# Altium PCB 2012_FDP_PCB.PcbDoc (part 1 of 3)
Units mil, origin at the board's own origin, x right, y up, seen from the top; angles counter-clockwise.
Board outline 5511.81 x 10236.22 mil, 4 copper layers (1-TOP, 2-GND, 3-SIGNAL, 4-BOT); 256 components, 200 nets, 1006 pads, 500 vias.
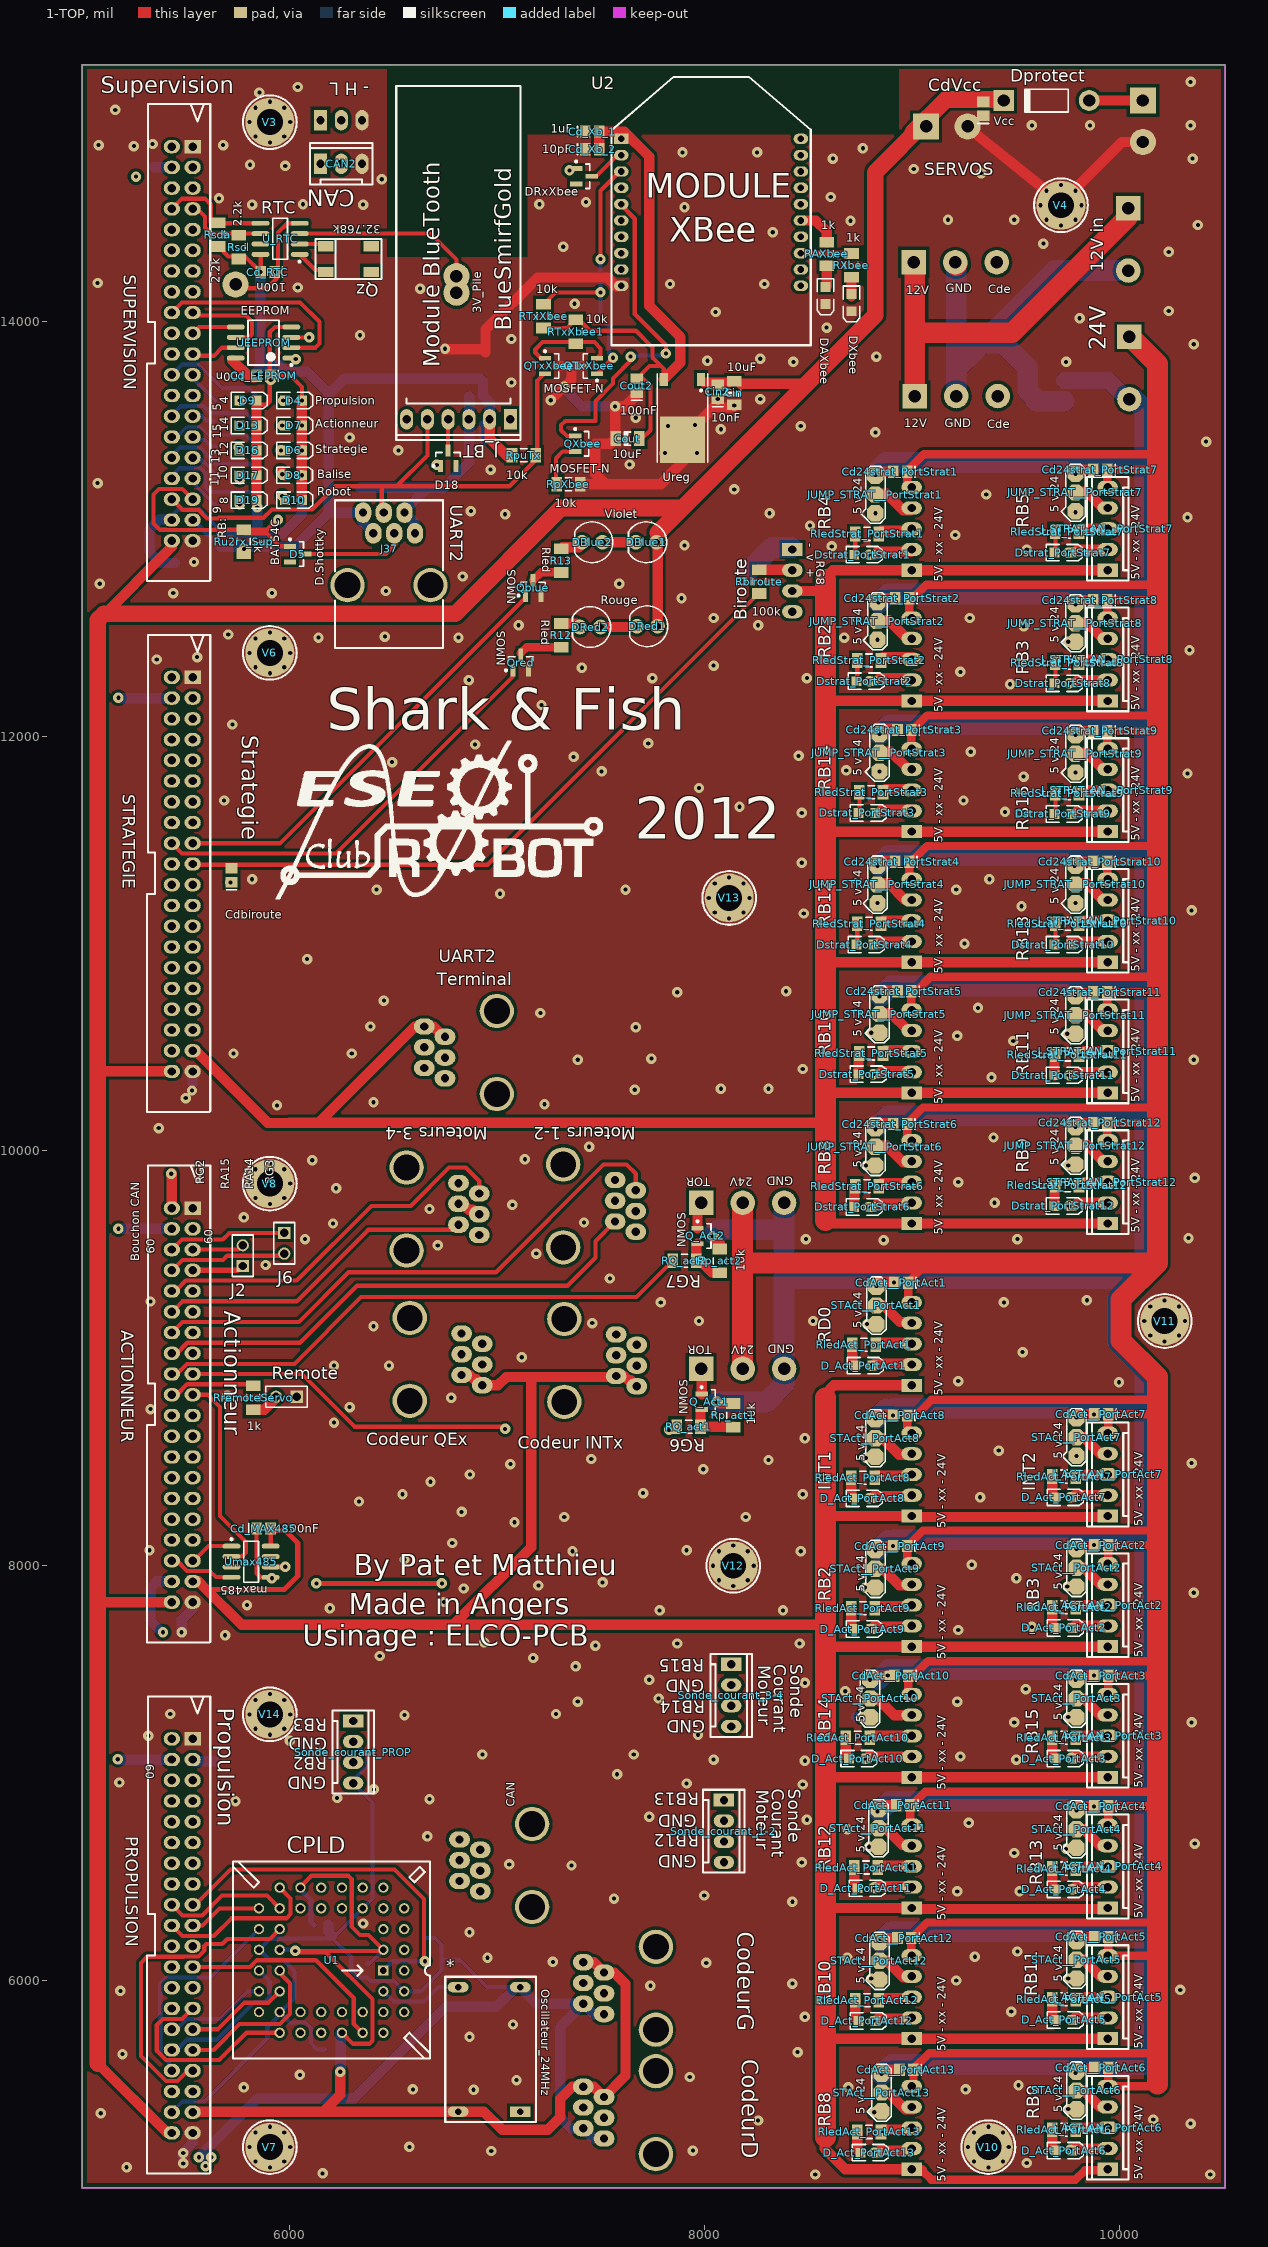
[diagram p0: 1-TOP view]
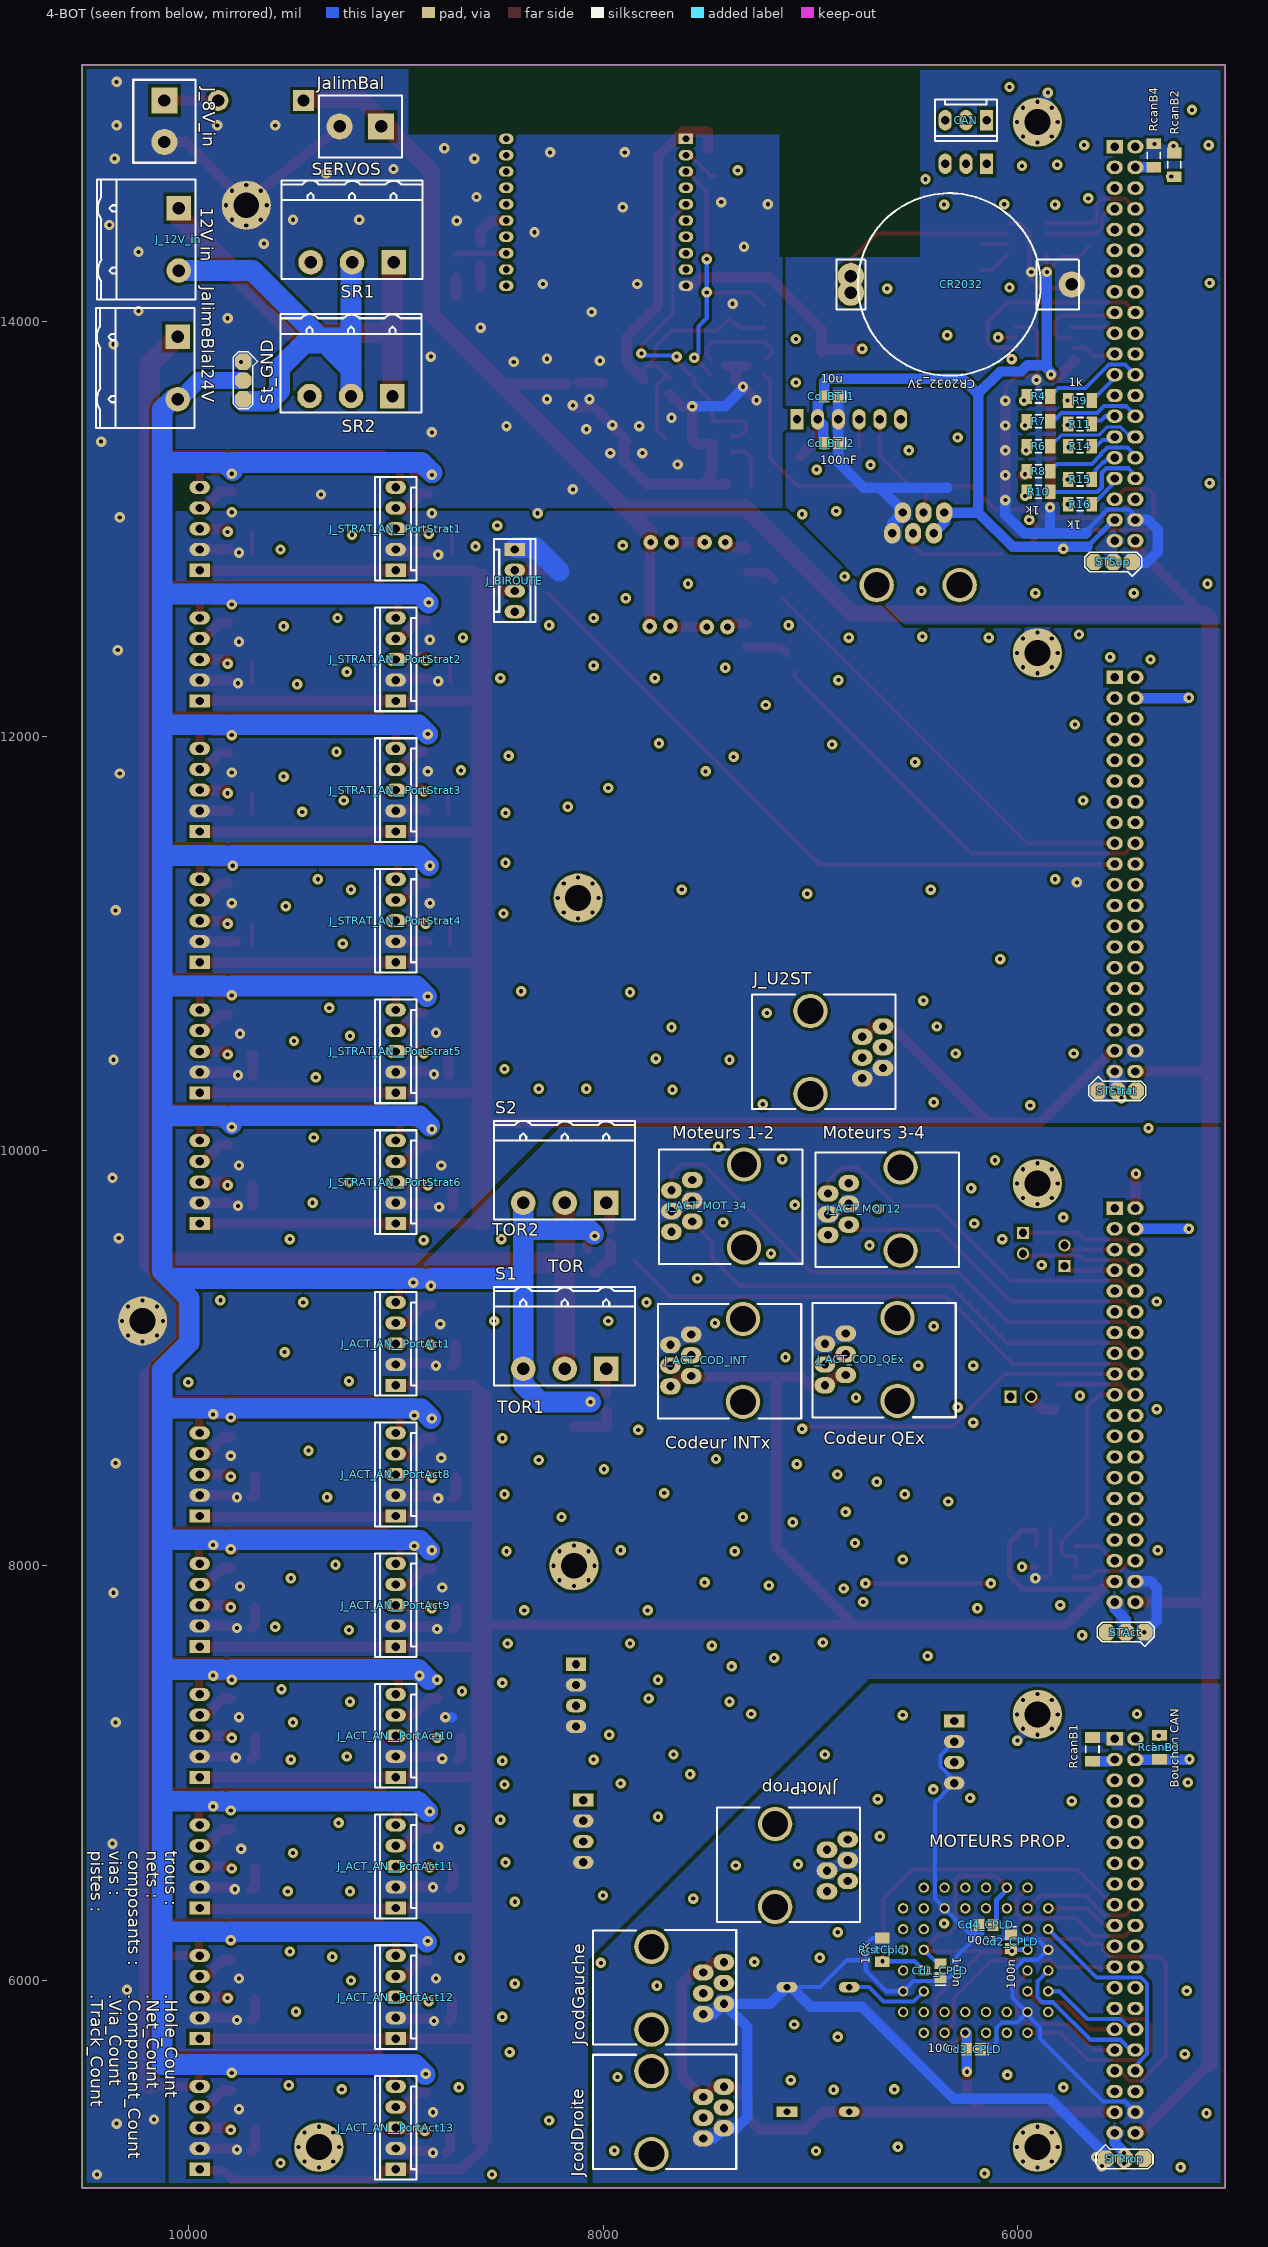
[diagram p1: 4-BOT view, seen from below]
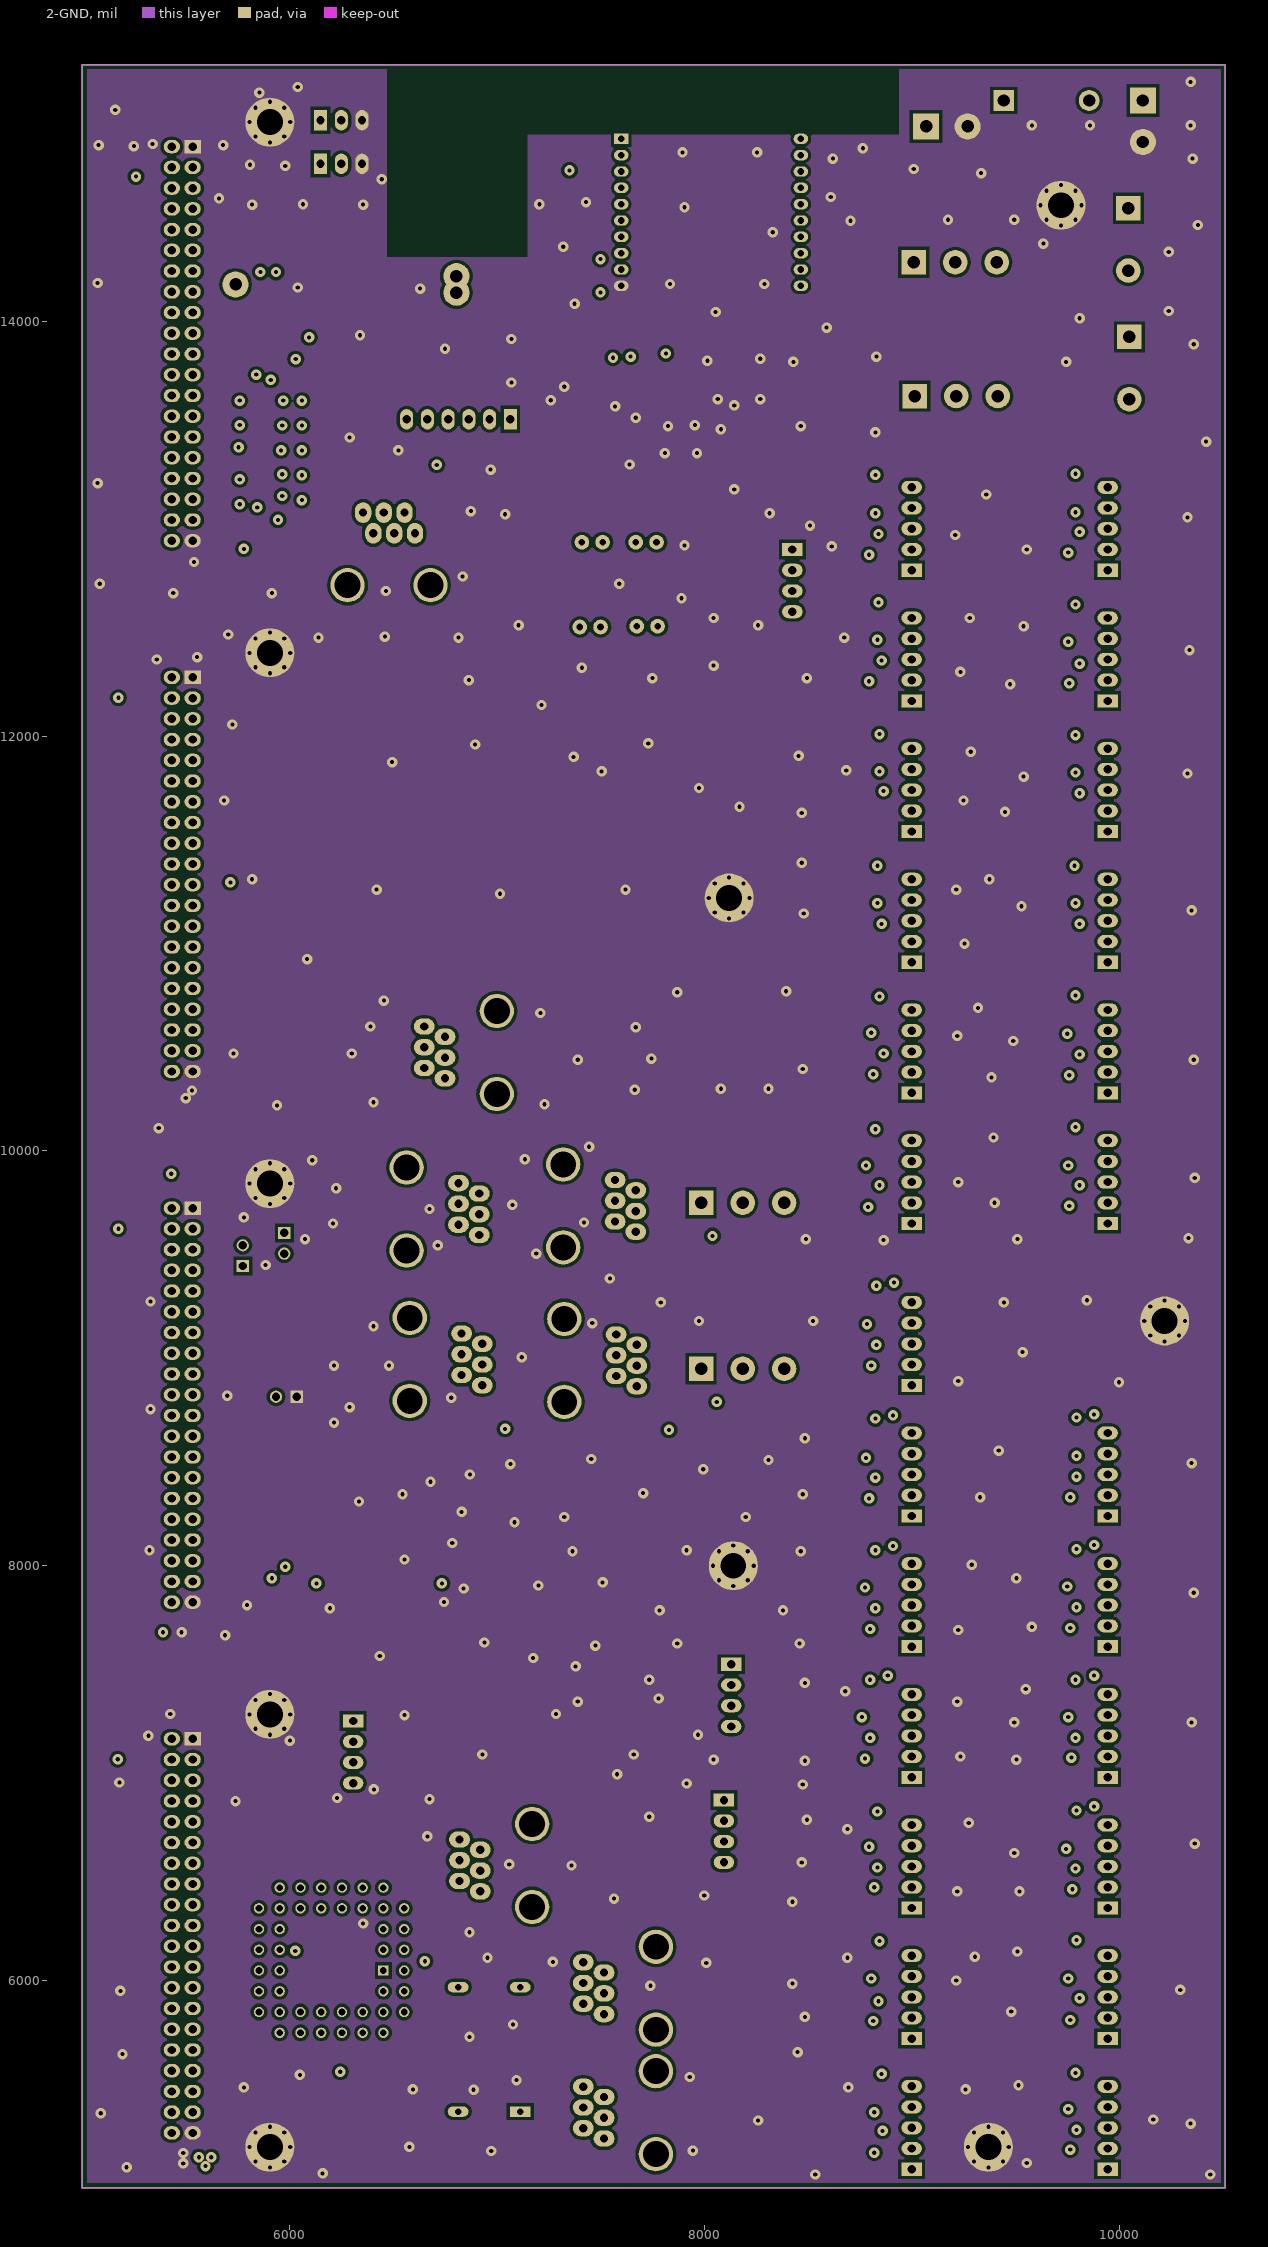
[diagram p2: 2-GND]
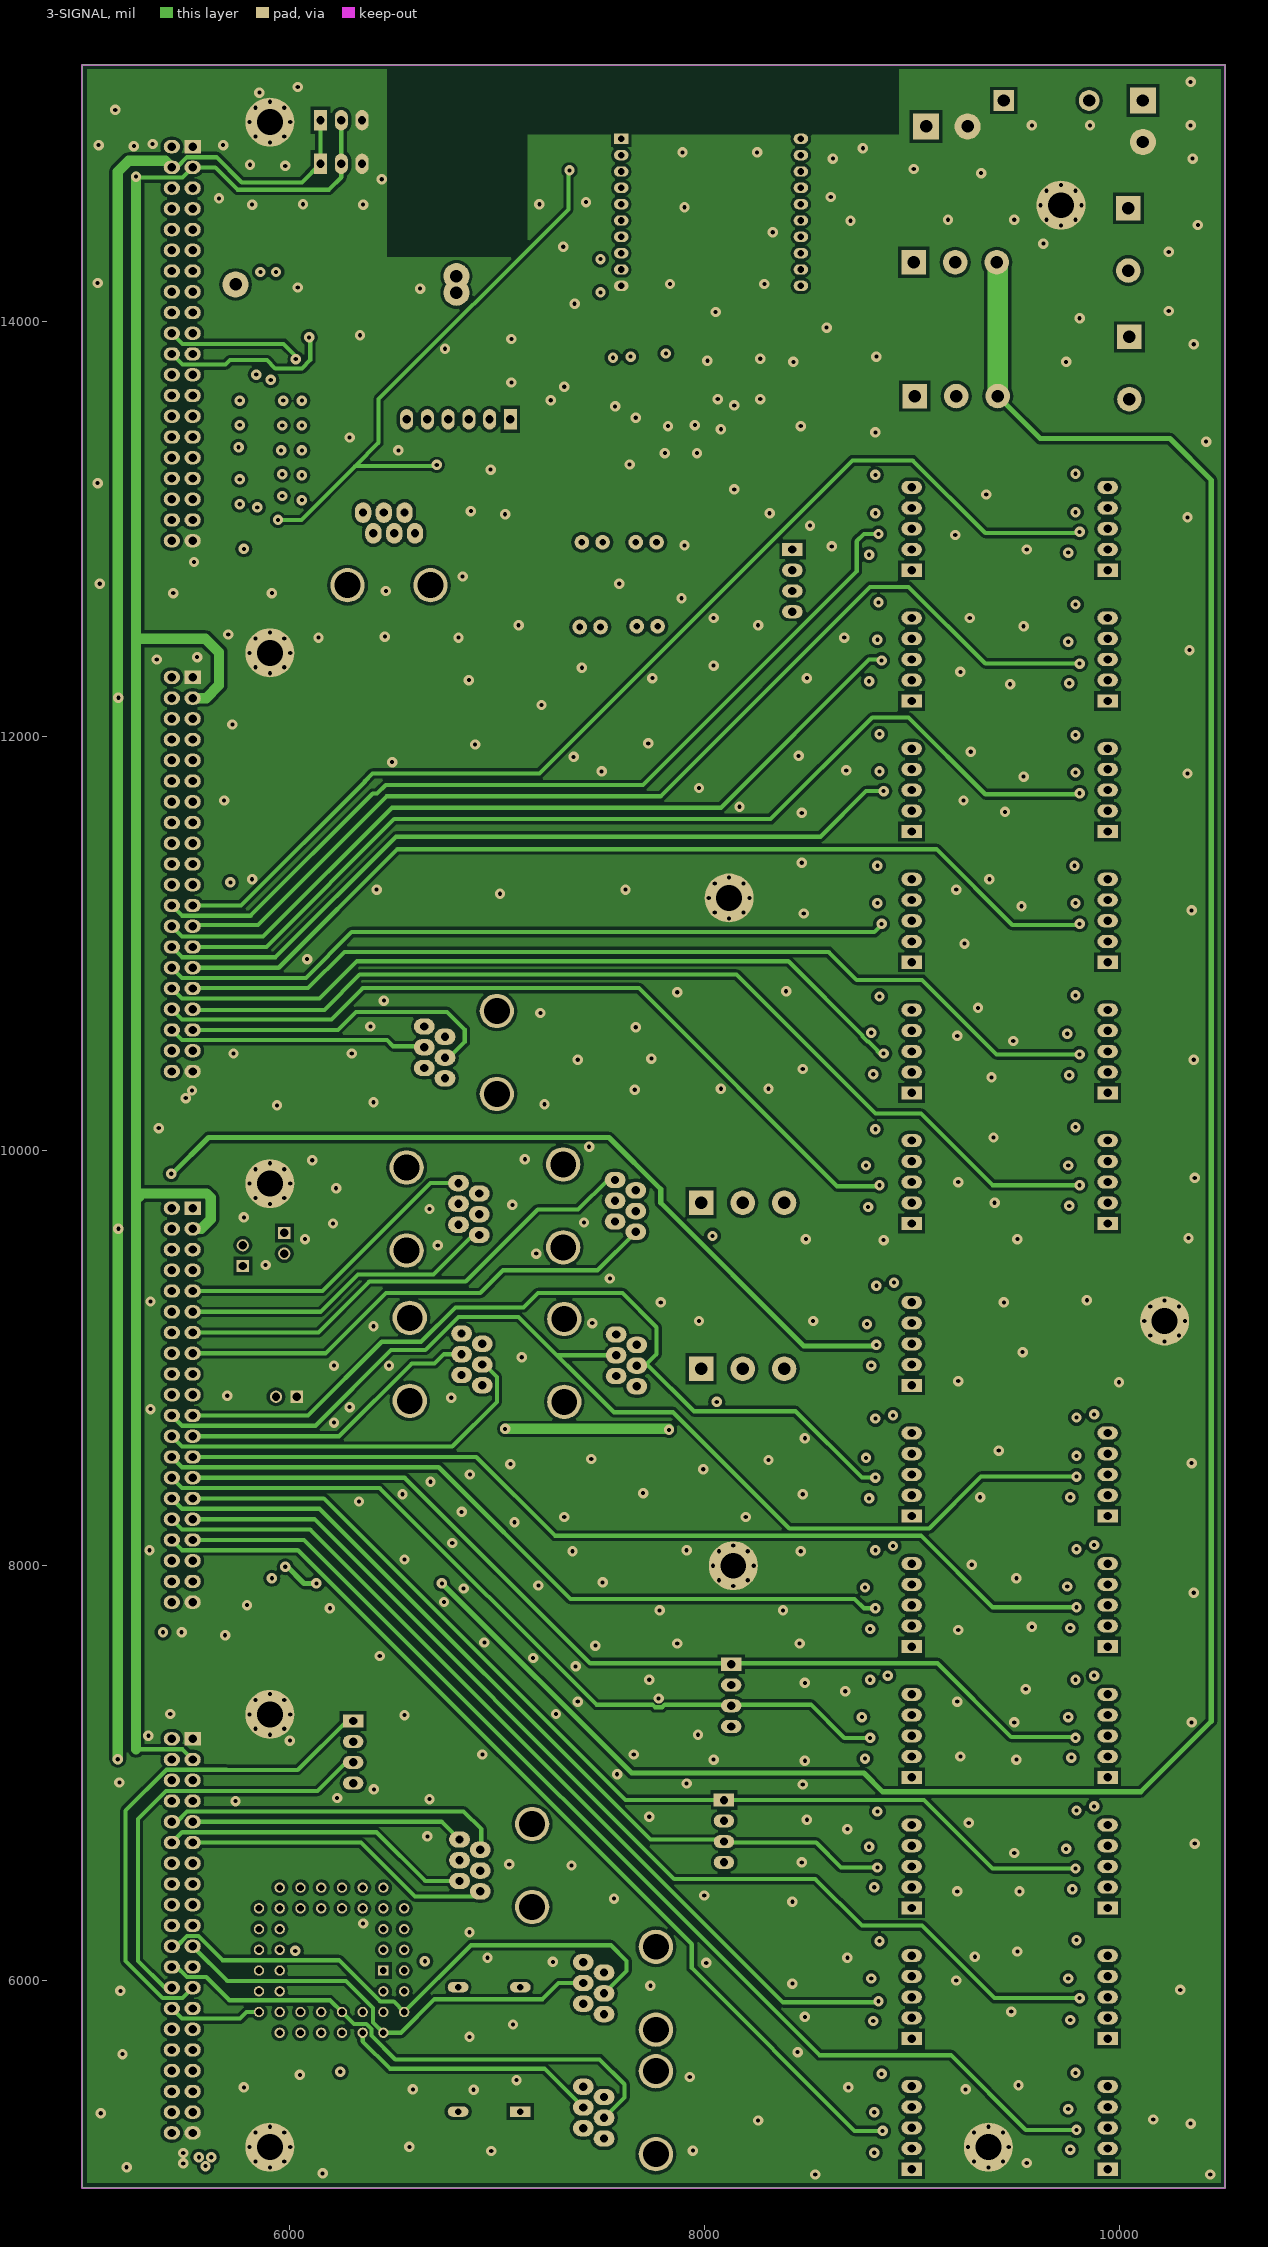
[diagram p3: 3-SIGNAL]
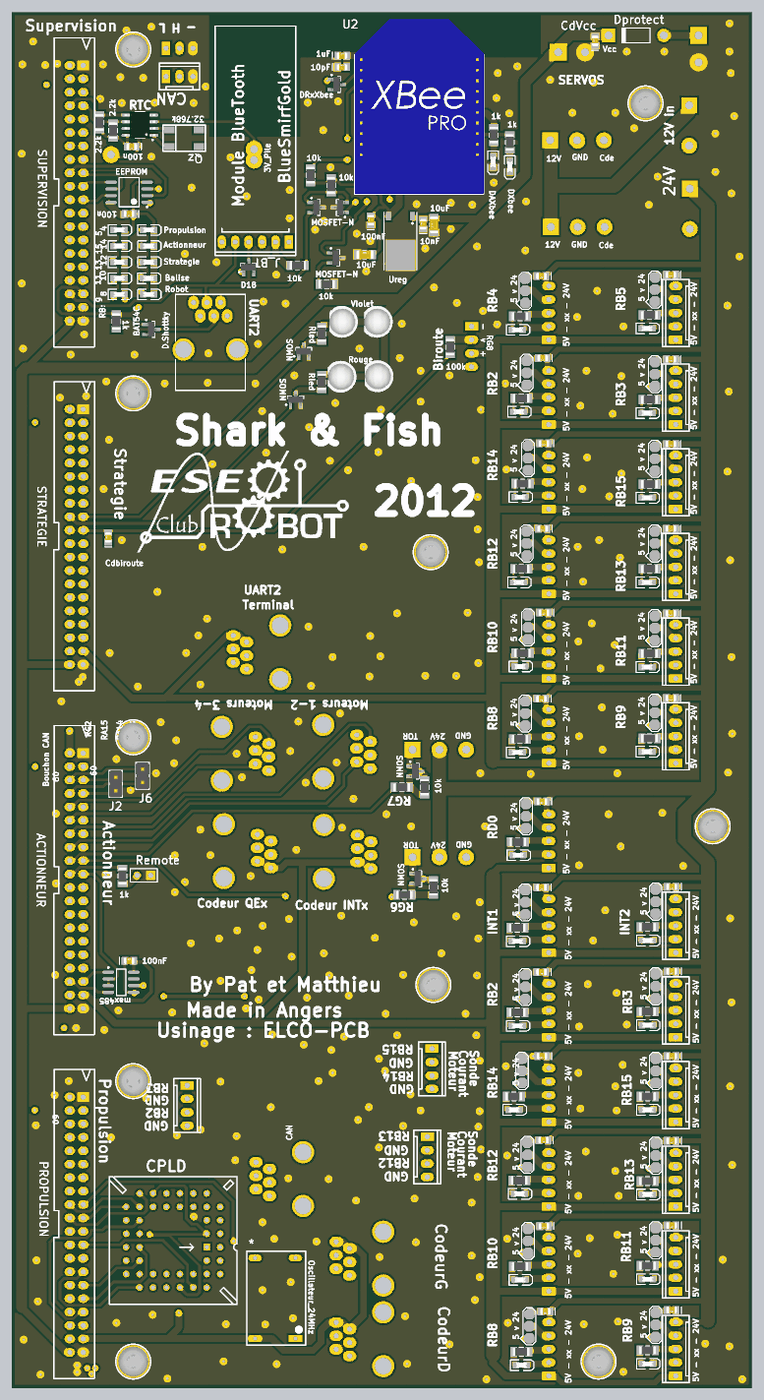
[diagram p6: 3D render of the assembled board from above, using the file's embedded part models]

## Layer stack, top to bottom
1-TOP: signal copper 1.4
Dielectric: core 12.6, FR-4, Dk 4.8
2-GND: signal copper 1.4
Dielectric: prepreg 12.6, FR-4, Dk 4.8
3-SIGNAL: signal copper 1.4
Dielectric: core 12.6, FR-4, Dk 4.8
4-BOT: signal copper 1.4

## Board outline
5000,5000 10511.81,5000 10511.81,15236.22 5000,15236.22

## Design rules (kind name [scope] priority, off if disabled: settings)
Clearance Clearance_1 [InNamedPolygon('2-GND') Or  InNamedPolygon('1-GND') Or  InNamedPolygon('4-GND_STRAT') Or  InNamedPolygon('3-GND') Or  InNamedPolygon('4-GND_SUP') Or  InNamedPolygon('4-GND_ACT') Or  InNamedPolygon('4-GND') Or  InNamedPolygon('4-GND_PROP')] p1: gap=15
Clearance [All] p2: gap=7
FabricationTestpoint [(IsPad And (OnTopLayer Or OnBottomLayer))] p1: side=3 testpointundercomponent=TRUE minsize=40 maxsize=100 preferedsize=60 minholesize=0 maxholesize=40 preferedholesize=32 testpointgrid=1 allowsidetop=TRUE allowsidebottom=TRUE usegrid=TRUE gridtolerance=0.01
HoleSize [All] p1: absolutevalues=TRUE maxlimit=200 minlimit=1 maxpercent=80.000 minpercent=20.000
PlaneConnect [All] p1: planeconnectstyle=Direct reliefexpansion=20 reliefentries=4 reliefconductorwidth=10 reliefairgap=10
PolygonConnect [All] p1: connectstyle=Direct reliefconductorwidth=10 reliefentries=4 polygonreliefangle="90 Angle"
RoomDefinition 2012_FDP_SCHEMA [InComponentClass('2012_FDP_SCHEMA')] p1: confinementstyle=ConfineIn formatcopy=TRUE lockcomponents=FALSE outline 3100,14265 3740,14265 3740,14840 3100,14840
RoomDefinition PortAct1 [InComponentClass('PortAct1')] p2: confinementstyle=ConfineIn formatcopy=FALSE lockcomponents=FALSE outline 8650,8815 9145,8815 9145,9415 8650,9415
RoomDefinition PortStrat5 [InComponentClass('PortStrat5')] p3: confinementstyle=ConfineIn formatcopy=TRUE lockcomponents=FALSE outline 9155,10215 8650,10215 8650,10820 9155,10820
RoomDefinition PortAct2 [InComponentClass('PortAct2')] p4: confinementstyle=ConfineIn formatcopy=TRUE lockcomponents=FALSE outline 9610,7550 10115,7550 10115,8150 9610,8150
RoomDefinition PortStrat12 [InComponentClass('PortStrat12')] p5: confinementstyle=ConfineIn formatcopy=TRUE lockcomponents=FALSE outline 10215,9580 9610,9580 9610,10185 10215,10185
RoomDefinition PortStrat11 [InComponentClass('PortStrat11')] p6: confinementstyle=ConfineIn formatcopy=TRUE lockcomponents=FALSE outline 10220,10210 9610,10210 9610,10815 10220,10815
RoomDefinition PortStrat10 [InComponentClass('PortStrat10')] p7: confinementstyle=ConfineIn formatcopy=TRUE lockcomponents=FALSE outline 10235,10840 9610,10840 9610,11445 10235,11445
RoomDefinition PortStrat9 [InComponentClass('PortStrat9')] p8: confinementstyle=ConfineIn formatcopy=TRUE lockcomponents=FALSE outline 10225,11470 9610,11470 9610,12075 10225,12075
RoomDefinition PortStrat8 [InComponentClass('PortStrat8')] p9: confinementstyle=ConfineIn formatcopy=TRUE lockcomponents=FALSE outline 10225,12100 9610,12100 9610,12705 10225,12705
RoomDefinition PortStrat7 [InComponentClass('PortStrat7')] p10: confinementstyle=ConfineIn formatcopy=TRUE lockcomponents=FALSE outline 10220,12740 9610,12740 9610,13335 10220,13335
RoomDefinition PortStrat6 [InComponentClass('PortStrat6')] p11: confinementstyle=ConfineIn formatcopy=TRUE lockcomponents=FALSE outline 9150,9575 8645,9575 8645,10180 9150,10180
RoomDefinition PortStrat4 [InComponentClass('PortStrat4')] p12: confinementstyle=ConfineIn formatcopy=TRUE lockcomponents=FALSE outline 9165,10840 8655,10840 8655,11445 9165,11445
RoomDefinition PortStrat3 [InComponentClass('PortStrat3')] p13: confinementstyle=ConfineIn formatcopy=TRUE lockcomponents=FALSE outline 9175,11475 8665,11475 8665,12080 9175,12080
RoomDefinition PortStrat2 [InComponentClass('PortStrat2')] p14: confinementstyle=ConfineIn formatcopy=TRUE lockcomponents=FALSE outline 9170,12110 8655,12110 8655,12715 9170,12715
RoomDefinition PortStrat1 [InComponentClass('PortStrat1')] p15: confinementstyle=ConfineIn formatcopy=FALSE lockcomponents=FALSE outline 9160,12720 8645,12720 8645,13325 9160,13325
RoomDefinition PortAct13 [InComponentClass('PortAct13')] p16: confinementstyle=ConfineIn formatcopy=TRUE lockcomponents=FALSE outline 8670,5020 9140,5020 9140,5620 8670,5620
RoomDefinition PortAct12 [InComponentClass('PortAct12')] p17: confinementstyle=ConfineIn formatcopy=TRUE lockcomponents=FALSE outline 8660,5655 9130,5655 9130,6255 8660,6255
RoomDefinition PortAct11 [InComponentClass('PortAct11')] p18: confinementstyle=ConfineIn formatcopy=TRUE lockcomponents=FALSE outline 8655,6295 9140,6295 9140,6895 8655,6895
RoomDefinition PortAct10 [InComponentClass('PortAct10')] p19: confinementstyle=ConfineIn formatcopy=TRUE lockcomponents=FALSE outline 8655,6920 9140,6920 9140,7520 8655,7520
RoomDefinition PortAct9 [InComponentClass('PortAct9')] p20: confinementstyle=ConfineIn formatcopy=TRUE lockcomponents=FALSE outline 8655,7545 9135,7545 9135,8145 8655,8145
RoomDefinition PortAct8 [InComponentClass('PortAct8')] p21: confinementstyle=ConfineIn formatcopy=TRUE lockcomponents=FALSE outline 8650,8175 9145,8175 9145,8775 8650,8775
RoomDefinition PortAct7 [InComponentClass('PortAct7')] p22: confinementstyle=ConfineIn formatcopy=TRUE lockcomponents=FALSE outline 9610,8180 10100,8180 10100,8780 9610,8780
RoomDefinition PortAct6 [InComponentClass('PortAct6')] p23: confinementstyle=ConfineIn formatcopy=TRUE lockcomponents=FALSE outline 9610,5030 10110,5030 10110,5630 9610,5630
RoomDefinition PortAct5 [InComponentClass('PortAct5')] p24: confinementstyle=ConfineIn formatcopy=TRUE lockcomponents=FALSE outline 9610,5660 10120,5660 10120,6260 9610,6260
RoomDefinition PortAct4 [InComponentClass('PortAct4')] p25: confinementstyle=ConfineIn formatcopy=TRUE lockcomponents=FALSE outline 9610,6290 10110,6290 10110,6890 9610,6890
RoomDefinition PortAct3 [InComponentClass('PortAct3')] p26: confinementstyle=ConfineIn formatcopy=TRUE lockcomponents=FALSE outline 9610,6920 10115,6920 10115,7520 9610,7520
RoutingVias [All] p1: holewidth=28 width=50 viastyle="Through Hole" minholewidth=28 minwidth=50 maxholewidth=28 maxwidth=50
SilkscreenOverComponentPads [All] p1: minsilkscreentomaskgap=10
SolderMaskExpansion [All] p1: expansion=4
Width [All] p1: maxlimit=200 minlimit=10 preferedwidth=15
24 further rules are at their usual default settings.
